# KiCad board demomatrix.kicad_pcb (continued)
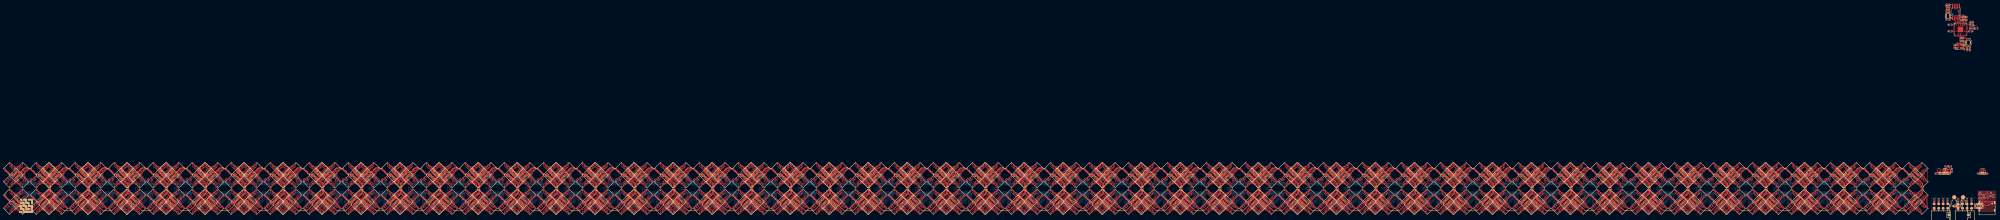
[diagram p0: board, top side]
## Routing (per net, layer and track width the routed paths; a pad name or vN(x,y) marks a point on that pad's centre or on a via; arc(x,y) is an arc through that point) (continued)
rgbs[3]-anodes-anode-526: length 3.9
  Top w0.2: LED640.6 -362.46,0.62 -361.26,0.62 -360.92,0.97 -360.46,0.97 -360.11,0.61 -359.12,0.61 LED639.5
rgbs[3]-anodes-anode-527: length 1.8
  Top w0.2: LED639.7 -359.9,1.53 -359.94,1.53 -360.11,1.37 -361.32,1.37 LED640.8
rgbs[3]-anodes-anode-528: length 9.5
  Top w0.2: LED51.3 -351.13,14.9 -351.13,14.93 -350.98,15.08 -350.98,15.89 -352.54,17.45 -352.79,17.45 -353.47,16.77 -353.91,16.77 -354.59,17.45 -354.84,17.45 -355.4,16.89 -355.4,16.88 -355.69,16.59 -355.7,16.59 -356.43,15.87 -356.43,15.08 LED52.4
rgbs[3]-anodes-anode-529: length 12.8
  Top w0.2: LED52.2 -357.16,14.12 -357.16,15.7 -355.86,16.99 -355.86,16.99 -355.8,17.05 -355.8,17.06 -355.01,17.85 -354.43,17.85 -353.74,17.17 -353.64,17.17 -352.95,17.85 -352.37,17.85 -350.22,15.7 -350.22,14.31 -350.15,14.23 -350.28,14.1 -350.28,14.06 LED51.1
rgbs[3]-anodes-anode-530: length 3.9
  Top w0.2: LED52.6 -355.46,15.62 -354.26,15.62 -353.92,15.97 -353.46,15.97 -353.11,15.61 -352.12,15.61 LED51.5
rgbs[3]-anodes-anode-531: length 1.8
  Top w0.2: LED51.7 -352.9,16.53 -352.94,16.53 -353.11,16.37 -354.32,16.37 LED52.8
rgbs[3]-anodes-anode-532: length 9.5
  Top w0.2: LED56.4 -341.43,15.08 -341.43,15.87 -340.7,16.59 -340.69,16.59 -340.4,16.88 -340.4,16.89 -339.84,17.45 -339.59,17.45 -338.91,16.77 -338.47,16.77 -337.79,17.45 -337.54,17.45 -335.98,15.89 -335.98,15.08 -336.13,14.93 -336.13,14.9 LED55.3
rgbs[3]-anodes-anode-533: length 12.8
  Top w0.2: LED55.1 -335.28,14.06 -335.28,14.1 -335.15,14.23 -335.22,14.31 -335.22,15.7 -337.37,17.85 -337.95,17.85 -338.64,17.17 -338.74,17.17 -339.43,17.85 -340.01,17.85 -340.8,17.06 -340.8,17.05 -340.86,16.99 -340.86,16.99 -342.16,15.7 -342.16,14.12 LED56.2
rgbs[3]-anodes-anode-534: length 3.9
  Top w0.2: LED55.5 -337.12,15.61 -338.11,15.61 -338.46,15.97 -338.92,15.97 -339.26,15.62 -340.46,15.62 LED56.6
rgbs[3]-anodes-anode-535: length 1.8
  Top w0.2: LED55.7 -337.9,16.53 -337.94,16.53 -338.11,16.37 -339.32,16.37 LED56.8
rgbs[3]-anodes-anode-536: length 9.5
  Top w0.2: LED59.3 -351.13,-0.1 -351.13,-0.07 -350.98,0.08 -350.98,0.89 -352.54,2.45 -352.79,2.45 -353.47,1.77 -353.91,1.77 -354.59,2.45 -354.84,2.45 -355.4,1.89 -355.4,1.88 -355.69,1.59 -355.7,1.59 -356.43,0.87 -356.43,0.08 LED60.4
rgbs[3]-anodes-anode-537: length 12.8
  Top w0.2: LED60.2 -357.16,-0.88 -357.16,0.7 -355.86,1.99 -355.86,1.99 -355.8,2.05 -355.8,2.06 -355.01,2.85 -354.43,2.85 -353.74,2.17 -353.64,2.17 -352.95,2.85 -352.37,2.85 -350.22,0.7 -350.22,-0.69 -350.15,-0.77 -350.28,-0.9 -350.28,-0.94 LED59.1
rgbs[3]-anodes-anode-538: length 3.9
  Top w0.2: LED60.6 -355.46,0.62 -354.26,0.62 -353.92,0.97 -353.46,0.97 -353.11,0.61 -352.12,0.61 LED59.5
rgbs[3]-anodes-anode-539: length 1.8
  Top w0.2: LED60.8 -354.32,1.37 -353.11,1.37 -352.94,1.53 -352.9,1.53 LED59.7
rgbs[3]-anodes-anode-540: length 9.5
  Top w0.2: LED64.4 -341.43,0.08 -341.43,0.87 -340.7,1.59 -340.69,1.59 -340.4,1.88 -340.4,1.89 -339.84,2.45 -339.59,2.45 -338.91,1.77 -338.47,1.77 -337.79,2.45 -337.54,2.45 -335.98,0.89 -335.98,0.08 -336.13,-0.07 -336.13,-0.1 LED63.3
rgbs[3]-anodes-anode-541: length 12.8
  Top w0.2: LED63.1 -335.28,-0.94 -335.28,-0.9 -335.15,-0.77 -335.22,-0.69 -335.22,0.7 -337.37,2.85 -337.95,2.85 -338.64,2.17 -338.74,2.17 -339.43,2.85 -340.01,2.85 -340.8,2.06 -340.8,2.05 -340.86,1.99 -340.86,1.99 -342.16,0.7 -342.16,-0.88 LED64.2
rgbs[3]-anodes-anode-542: length 3.9
  Top w0.2: LED64.6 -340.46,0.62 -339.26,0.62 -338.92,0.97 -338.46,0.97 -338.11,0.61 -337.12,0.61 LED63.5
rgbs[3]-anodes-anode-543: length 1.8
  Top w0.2: LED63.7 -337.9,1.53 -337.94,1.53 -338.11,1.37 -339.32,1.37 LED64.8
rgbs[3]-anodes-anode-544: length 9.5
  Top w0.2: LED644.4 -334.43,15.08 -334.43,15.87 -333.7,16.59 -333.69,16.59 -333.4,16.88 -333.4,16.89 -332.84,17.45 -332.59,17.45 -331.91,16.77 -331.47,16.77 -330.79,17.45 -330.54,17.45 -328.98,15.89 -328.98,15.08 -329.13,14.93 -329.13,14.9 LED643.3
rgbs[3]-anodes-anode-545: length 12.8
  Top w0.2: LED643.1 -328.28,14.06 -328.28,14.1 -328.15,14.23 -328.22,14.31 -328.22,15.7 -330.37,17.85 -330.95,17.85 -331.64,17.17 -331.74,17.17 -332.43,17.85 -333.01,17.85 -333.8,17.06 -333.8,17.05 -333.86,16.99 -333.86,16.99 -335.16,15.7 -335.16,14.12 LED644.2
rgbs[3]-anodes-anode-546: length 3.9
  Top w0.2: LED643.5 -330.12,15.61 -331.11,15.61 -331.46,15.97 -331.92,15.97 -332.26,15.62 -333.46,15.62 LED644.6
rgbs[3]-anodes-anode-547: length 1.8
  Top w0.2: LED643.7 -330.9,16.53 -330.94,16.53 -331.11,16.37 -332.32,16.37 LED644.8
rgbs[3]-anodes-anode-548: length 9.5
  Top w0.2: LED647.3 -314.13,14.9 -314.13,14.93 -313.98,15.08 -313.98,15.89 -315.54,17.45 -315.79,17.45 -316.47,16.77 -316.91,16.77 -317.59,17.45 -317.84,17.45 -318.4,16.89 -318.4,16.88 -318.69,16.59 -318.7,16.59 -319.43,15.87 -319.43,15.08 LED648.4
rgbs[3]-anodes-anode-549: length 12.8
  Top w0.2: LED647.1 -313.28,14.06 -313.28,14.1 -313.15,14.23 -313.22,14.31 -313.22,15.7 -315.37,17.85 -315.95,17.85 -316.64,17.17 -316.74,17.17 -317.43,17.85 -318.01,17.85 -318.8,17.06 -318.8,17.05 -318.86,16.99 -318.86,16.99 -320.16,15.7 -320.16,14.12 LED648.2
rgbs[3]-anodes-anode-550: length 3.9
  Top w0.2: LED647.5 -315.12,15.61 -316.11,15.61 -316.46,15.97 -316.92,15.97 -317.26,15.62 -318.46,15.62 LED648.6
rgbs[3]-anodes-anode-551: length 1.8
  Top w0.2: LED647.7 -315.9,16.53 -315.94,16.53 -316.11,16.37 -317.32,16.37 LED648.8
rgbs[3]-anodes-anode-552: length 9.5
  Top w0.2: LED651.3 -329.13,-0.1 -329.13,-0.07 -328.98,0.08 -328.98,0.89 -330.54,2.45 -330.79,2.45 -331.47,1.77 -331.91,1.77 -332.59,2.45 -332.84,2.45 -333.4,1.89 -333.4,1.88 -333.69,1.59 -333.7,1.59 -334.43,0.87 -334.43,0.08 LED652.4
rgbs[3]-anodes-anode-553: length 12.8
  Top w0.2: LED651.1 -328.28,-0.94 -328.28,-0.9 -328.15,-0.77 -328.22,-0.69 -328.22,0.7 -330.37,2.85 -330.95,2.85 -331.64,2.17 -331.74,2.17 -332.43,2.85 -333.01,2.85 -333.8,2.06 -333.8,2.05 -333.86,1.99 -333.86,1.99 -335.16,0.7 -335.16,-0.88 LED652.2
rgbs[3]-anodes-anode-554: length 3.9
  Top w0.2: LED652.6 -333.46,0.62 -332.26,0.62 -331.92,0.97 -331.46,0.97 -331.11,0.61 -330.12,0.61 LED651.5
rgbs[3]-anodes-anode-555: length 1.8
  Top w0.2: LED651.7 -330.9,1.53 -330.94,1.53 -331.11,1.37 -332.32,1.37 LED652.8
rgbs[3]-anodes-anode-556: length 9.5
  Top w0.2: LED656.4 -319.43,0.08 -319.43,0.87 -318.7,1.59 -318.69,1.59 -318.4,1.88 -318.4,1.89 -317.84,2.45 -317.59,2.45 -316.91,1.77 -316.47,1.77 -315.79,2.45 -315.54,2.45 -313.98,0.89 -313.98,0.08 -314.13,-0.07 -314.13,-0.1 LED655.3
rgbs[3]-anodes-anode-557: length 12.8
  Top w0.2: LED656.2 -320.16,-0.88 -320.16,0.7 -318.86,1.99 -318.86,1.99 -318.8,2.05 -318.8,2.06 -318.01,2.85 -317.43,2.85 -316.74,2.17 -316.64,2.17 -315.95,2.85 -315.37,2.85 -313.22,0.7 -313.22,-0.69 -313.15,-0.77 -313.28,-0.9 -313.28,-0.94 LED655.1
rgbs[3]-anodes-anode-558: length 3.9
  Top w0.2: LED655.5 -315.12,0.61 -316.11,0.61 -316.46,0.97 -316.92,0.97 -317.26,0.62 -318.46,0.62 LED656.6
rgbs[3]-anodes-anode-559: length 1.8
  Top w0.2: LED656.8 -317.32,1.37 -316.11,1.37 -315.94,1.53 -315.9,1.53 LED655.7
rgbs[3]-anodes-anode-560: length 9.5
  Top w0.2: LED659.3 -307.13,14.9 -307.13,14.93 -306.98,15.08 -306.98,15.89 -308.54,17.45 -308.79,17.45 -309.47,16.77 -309.91,16.77 -310.59,17.45 -310.84,17.45 -311.4,16.89 -311.4,16.88 -311.69,16.59 -311.7,16.59 -312.43,15.87 -312.43,15.08 LED660.4
rgbs[3]-anodes-anode-561: length 12.8
  Top w0.2: LED660.2 -313.16,14.12 -313.16,15.7 -311.86,16.99 -311.86,16.99 -311.8,17.05 -311.8,17.06 -311.01,17.85 -310.43,17.85 -309.74,17.17 -309.64,17.17 -308.95,17.85 -308.37,17.85 -306.22,15.7 -306.22,14.31 -306.15,14.23 -306.28,14.1 -306.28,14.06 LED659.1
rgbs[3]-anodes-anode-562: length 3.9
  Top w0.2: LED660.6 -311.46,15.62 -310.26,15.62 -309.92,15.97 -309.46,15.97 -309.11,15.61 -308.12,15.61 LED659.5
rgbs[3]-anodes-anode-563: length 1.8
  Top w0.2: LED660.8 -310.32,16.37 -309.11,16.37 -308.94,16.53 -308.9,16.53 LED659.7
rgbs[3]-anodes-anode-564: length 9.5
  Top w0.2: LED664.4 -297.43,15.08 -297.43,15.87 -296.7,16.59 -296.69,16.59 -296.4,16.88 -296.4,16.89 -295.84,17.45 -295.59,17.45 -294.91,16.77 -294.47,16.77 -293.79,17.45 -293.54,17.45 -291.98,15.89 -291.98,15.08 -292.13,14.93 -292.13,14.9 LED663.3
rgbs[3]-anodes-anode-565: length 12.8
  Top w0.2: LED664.2 -298.16,14.12 -298.16,15.7 -296.86,16.99 -296.86,16.99 -296.8,17.05 -296.8,17.06 -296.01,17.85 -295.43,17.85 -294.74,17.17 -294.64,17.17 -293.95,17.85 -293.37,17.85 -291.22,15.7 -291.22,14.31 -291.15,14.23 -291.28,14.1 -291.28,14.06 LED663.1
rgbs[3]-anodes-anode-566: length 3.9
  Top w0.2: LED664.6 -296.46,15.62 -295.26,15.62 -294.92,15.97 -294.46,15.97 -294.11,15.61 -293.12,15.61 LED663.5
rgbs[3]-anodes-anode-567: length 1.8
  Top w0.2: LED664.8 -295.32,16.37 -294.11,16.37 -293.94,16.53 -293.9,16.53 LED663.7
rgbs[3]-anodes-anode-568: length 9.5
  Top w0.2: LED668.4 -312.43,0.08 -312.43,0.87 -311.7,1.59 -311.69,1.59 -311.4,1.88 -311.4,1.89 -310.84,2.45 -310.59,2.45 -309.91,1.77 -309.47,1.77 -308.79,2.45 -308.54,2.45 -306.98,0.89 -306.98,0.08 -307.13,-0.07 -307.13,-0.1 LED667.3
rgbs[3]-anodes-anode-569: length 12.8
  Top w0.2: LED667.1 -306.28,-0.94 -306.28,-0.9 -306.15,-0.77 -306.22,-0.69 -306.22,0.7 -308.37,2.85 -308.95,2.85 -309.64,2.17 -309.74,2.17 -310.43,2.85 -311.01,2.85 -311.8,2.06 -311.8,2.05 -311.86,1.99 -311.86,1.99 -313.16,0.7 -313.16,-0.88 LED668.2
rgbs[3]-anodes-anode-570: length 3.9
  Top w0.2: LED667.5 -308.12,0.61 -309.11,0.61 -309.46,0.97 -309.92,0.97 -310.26,0.62 -311.46,0.62 LED668.6
rgbs[3]-anodes-anode-571: length 1.8
  Top w0.2: LED668.8 -310.32,1.37 -309.11,1.37 -308.94,1.53 -308.9,1.53 LED667.7
rgbs[3]-anodes-anode-572: length 9.5
  Top w0.2: LED671.3 -292.13,-0.1 -292.13,-0.07 -291.98,0.08 -291.98,0.89 -293.54,2.45 -293.79,2.45 -294.47,1.77 -294.91,1.77 -295.59,2.45 -295.84,2.45 -296.4,1.89 -296.4,1.88 -296.69,1.59 -296.7,1.59 -297.43,0.87 -297.43,0.08 LED672.4
rgbs[3]-anodes-anode-573: length 12.8
  Top w0.2: LED671.1 -291.28,-0.94 -291.28,-0.9 -291.15,-0.77 -291.22,-0.69 -291.22,0.7 -293.37,2.85 -293.95,2.85 -294.64,2.17 -294.74,2.17 -295.43,2.85 -296.01,2.85 -296.8,2.06 -296.8,2.05 -296.86,1.99 -296.86,1.99 -298.16,0.7 -298.16,-0.88 LED672.2
rgbs[3]-anodes-anode-574: length 3.9
  Top w0.2: LED671.5 -293.12,0.61 -294.11,0.61 -294.46,0.97 -294.92,0.97 -295.26,0.62 -296.46,0.62 LED672.6
rgbs[3]-anodes-anode-575: length 1.8
  Top w0.2: LED671.7 -293.9,1.53 -293.94,1.53 -294.11,1.37 -295.32,1.37 LED672.8
rgbs[3]-anodes-anode-576: length 9.5
  Top w0.2: LED676.4 -290.43,15.08 -290.43,15.87 -289.7,16.59 -289.69,16.59 -289.4,16.88 -289.4,16.89 -288.84,17.45 -288.59,17.45 -287.91,16.77 -287.47,16.77 -286.79,17.45 -286.54,17.45 -284.98,15.89 -284.98,15.08 -285.13,14.93 -285.13,14.9 LED675.3
rgbs[3]-anodes-anode-577: length 12.8
  Top w0.2: LED676.2 -291.16,14.12 -291.16,15.7 -289.86,16.99 -289.86,16.99 -289.8,17.05 -289.8,17.06 -289.01,17.85 -288.43,17.85 -287.74,17.17 -287.64,17.17 -286.95,17.85 -286.37,17.85 -284.22,15.7 -284.22,14.31 -284.15,14.23 -284.28,14.1 -284.28,14.06 LED675.1
rgbs[3]-anodes-anode-578: length 3.9
  Top w0.2: LED676.6 -289.46,15.62 -288.26,15.62 -287.92,15.97 -287.46,15.97 -287.11,15.61 -286.12,15.61 LED675.5
rgbs[3]-anodes-anode-579: length 1.8
  Top w0.2: LED675.7 -286.9,16.53 -286.94,16.53 -287.11,16.37 -288.32,16.37 LED676.8
rgbs[3]-anodes-anode-580: length 9.5
  Top w0.2: LED680.4 -275.43,15.08 -275.43,15.87 -274.7,16.59 -274.69,16.59 -274.4,16.88 -274.4,16.89 -273.84,17.45 -273.59,17.45 -272.91,16.77 -272.47,16.77 -271.79,17.45 -271.54,17.45 -269.98,15.89 -269.98,15.08 -270.13,14.93 -270.13,14.9 LED679.3
rgbs[3]-anodes-anode-581: length 12.8
  Top w0.2: LED679.1 -269.28,14.06 -269.28,14.1 -269.15,14.23 -269.22,14.31 -269.22,15.7 -271.37,17.85 -271.95,17.85 -272.64,17.17 -272.74,17.17 -273.43,17.85 -274.01,17.85 -274.8,17.06 -274.8,17.05 -274.86,16.99 -274.86,16.99 -276.16,15.7 -276.16,14.12 LED680.2
rgbs[3]-anodes-anode-582: length 3.9
  Top w0.2: LED680.6 -274.46,15.62 -273.26,15.62 -272.92,15.97 -272.46,15.97 -272.11,15.61 -271.12,15.61 LED679.5
rgbs[3]-anodes-anode-583: length 1.8
  Top w0.2: LED680.8 -273.32,16.37 -272.11,16.37 -271.94,16.53 -271.9,16.53 LED679.7
rgbs[3]-anodes-anode-584: length 9.5
  Top w0.2: LED683.3 -285.13,-0.1 -285.13,-0.07 -284.98,0.08 -284.98,0.89 -286.54,2.45 -286.79,2.45 -287.47,1.77 -287.91,1.77 -288.59,2.45 -288.84,2.45 -289.4,1.89 -289.4,1.88 -289.69,1.59 -289.7,1.59 -290.43,0.87 -290.43,0.08 LED684.4
rgbs[3]-anodes-anode-585: length 12.8
  Top w0.2: LED684.2 -291.16,-0.88 -291.16,0.7 -289.86,1.99 -289.86,1.99 -289.8,2.05 -289.8,2.06 -289.01,2.85 -288.43,2.85 -287.74,2.17 -287.64,2.17 -286.95,2.85 -286.37,2.85 -284.22,0.7 -284.22,-0.69 -284.15,-0.77 -284.28,-0.9 -284.28,-0.94 LED683.1
rgbs[3]-anodes-anode-586: length 3.9
  Top w0.2: LED684.6 -289.46,0.62 -288.26,0.62 -287.92,0.97 -287.46,0.97 -287.11,0.61 -286.12,0.61 LED683.5
rgbs[3]-anodes-anode-587: length 1.8
  Top w0.2: LED684.8 -288.32,1.37 -287.11,1.37 -286.94,1.53 -286.9,1.53 LED683.7
rgbs[3]-anodes-anode-588: length 9.5
  Top w0.2: LED688.4 -275.43,0.08 -275.43,0.87 -274.7,1.59 -274.69,1.59 -274.4,1.88 -274.4,1.89 -273.84,2.45 -273.59,2.45 -272.91,1.77 -272.47,1.77 -271.79,2.45 -271.54,2.45 -269.98,0.89 -269.98,0.08 -270.13,-0.07 -270.13,-0.1 LED687.3
rgbs[3]-anodes-anode-589: length 12.8
  Top w0.2: LED688.2 -276.16,-0.88 -276.16,0.7 -274.86,1.99 -274.86,1.99 -274.8,2.05 -274.8,2.06 -274.01,2.85 -273.43,2.85 -272.74,2.17 -272.64,2.17 -271.95,2.85 -271.37,2.85 -269.22,0.7 -269.22,-0.69 -269.15,-0.77 -269.28,-0.9 -269.28,-0.94 LED687.1
rgbs[3]-anodes-anode-590: length 3.9
  Top w0.2: LED687.5 -271.12,0.61 -272.11,0.61 -272.46,0.97 -272.92,0.97 -273.26,0.62 -274.46,0.62 LED688.6
rgbs[3]-anodes-anode-591: length 1.8
  Top w0.2: LED688.8 -273.32,1.37 -272.11,1.37 -271.94,1.53 -271.9,1.53 LED687.7
rgbs[3]-anodes-anode-592: length 9.5
  Top w0.2: LED692.4 -268.43,15.08 -268.43,15.87 -267.7,16.59 -267.69,16.59 -267.4,16.88 -267.4,16.89 -266.84,17.45 -266.59,17.45 -265.91,16.77 -265.47,16.77 -264.79,17.45 -264.54,17.45 -262.98,15.89 -262.98,15.08 -263.13,14.93 -263.13,14.9 LED691.3
rgbs[3]-anodes-anode-593: length 12.8
  Top w0.2: LED692.2 -269.16,14.12 -269.16,15.7 -267.86,16.99 -267.86,16.99 -267.8,17.05 -267.8,17.06 -267.01,17.85 -266.43,17.85 -265.74,17.17 -265.64,17.17 -264.95,17.85 -264.37,17.85 -262.22,15.7 -262.22,14.31 -262.15,14.23 -262.28,14.1 -262.28,14.06 LED691.1
rgbs[3]-anodes-anode-594: length 3.9
  Top w0.2: LED692.6 -267.46,15.62 -266.26,15.62 -265.92,15.97 -265.46,15.97 -265.11,15.61 -264.12,15.61 LED691.5
rgbs[3]-anodes-anode-595: length 1.8
  Top w0.2: LED691.7 -264.9,16.53 -264.94,16.53 -265.11,16.37 -266.32,16.37 LED692.8
rgbs[3]-anodes-anode-596: length 9.5
  Top w0.2: LED695.3 -248.13,14.9 -248.13,14.93 -247.98,15.08 -247.98,15.89 -249.54,17.45 -249.79,17.45 -250.47,16.77 -250.91,16.77 -251.59,17.45 -251.84,17.45 -252.4,16.89 -252.4,16.88 -252.69,16.59 -252.7,16.59 -253.43,15.87 -253.43,15.08 LED696.4
rgbs[3]-anodes-anode-597: length 12.8
  Top w0.2: LED695.1 -247.28,14.06 -247.28,14.1 -247.15,14.23 -247.22,14.31 -247.22,15.7 -249.37,17.85 -249.95,17.85 -250.64,17.17 -250.74,17.17 -251.43,17.85 -252.01,17.85 -252.8,17.06 -252.8,17.05 -252.86,16.99 -252.86,16.99 -254.16,15.7 -254.16,14.12 LED696.2
rgbs[3]-anodes-anode-598: length 3.9
  Top w0.2: LED696.6 -252.46,15.62 -251.26,15.62 -250.92,15.97 -250.46,15.97 -250.11,15.61 -249.12,15.61 LED695.5
rgbs[3]-anodes-anode-599: length 1.8
  Top w0.2: LED695.7 -249.9,16.53 -249.94,16.53 -250.11,16.37 -251.32,16.37 LED696.8
rgbs[3]-anodes-anode-600: length 9.5
  Top w0.2: LED700.4 -268.43,0.08 -268.43,0.87 -267.7,1.59 -267.69,1.59 -267.4,1.88 -267.4,1.89 -266.84,2.45 -266.59,2.45 -265.91,1.77 -265.47,1.77 -264.79,2.45 -264.54,2.45 -262.98,0.89 -262.98,0.08 -263.13,-0.07 -263.13,-0.1 LED699.3
rgbs[3]-anodes-anode-601: length 12.8
  Top w0.2: LED700.2 -269.16,-0.88 -269.16,0.7 -267.86,1.99 -267.86,1.99 -267.8,2.05 -267.8,2.06 -267.01,2.85 -266.43,2.85 -265.74,2.17 -265.64,2.17 -264.95,2.85 -264.37,2.85 -262.22,0.7 -262.22,-0.69 -262.15,-0.77 -262.28,-0.9 -262.28,-0.94 LED699.1
rgbs[3]-anodes-anode-602: length 3.9
  Top w0.2: LED699.5 -264.12,0.61 -265.11,0.61 -265.46,0.97 -265.92,0.97 -266.26,0.62 -267.46,0.62 LED700.6
rgbs[3]-anodes-anode-603: length 1.8
  Top w0.2: LED699.7 -264.9,1.53 -264.94,1.53 -265.11,1.37 -266.32,1.37 LED700.8
rgbs[3]-anodes-anode-604: length 9.5
  Top w0.2: LED703.3 -248.13,-0.1 -248.13,-0.07 -247.98,0.08 -247.98,0.89 -249.54,2.45 -249.79,2.45 -250.47,1.77 -250.91,1.77 -251.59,2.45 -251.84,2.45 -252.4,1.89 -252.4,1.88 -252.69,1.59 -252.7,1.59 -253.43,0.87 -253.43,0.08 LED704.4
rgbs[3]-anodes-anode-605: length 12.8
  Top w0.2: LED703.1 -247.28,-0.94 -247.28,-0.9 -247.15,-0.77 -247.22,-0.69 -247.22,0.7 -249.37,2.85 -249.95,2.85 -250.64,2.17 -250.74,2.17 -251.43,2.85 -252.01,2.85 -252.8,2.06 -252.8,2.05 -252.86,1.99 -252.86,1.99 -254.16,0.7 -254.16,-0.88 LED704.2
rgbs[3]-anodes-anode-606: length 3.9
  Top w0.2: LED704.6 -252.46,0.62 -251.26,0.62 -250.92,0.97 -250.46,0.97 -250.11,0.61 -249.12,0.61 LED703.5
rgbs[3]-anodes-anode-607: length 1.8
  Top w0.2: LED703.7 -249.9,1.53 -249.94,1.53 -250.11,1.37 -251.32,1.37 LED704.8
rgbs[3]-anodes-anode-608: length 9.5
  Top w0.2: LED707.3 -241.13,14.9 -241.13,14.93 -240.98,15.08 -240.98,15.89 -242.54,17.45 -242.79,17.45 -243.47,16.77 -243.91,16.77 -244.59,17.45 -244.84,17.45 -245.4,16.89 -245.4,16.88 -245.69,16.59 -245.7,16.59 -246.43,15.87 -246.43,15.08 LED708.4
rgbs[3]-anodes-anode-609: length 12.8
  Top w0.2: LED707.1 -240.28,14.06 -240.28,14.1 -240.15,14.23 -240.22,14.31 -240.22,15.7 -242.37,17.85 -242.95,17.85 -243.64,17.17 -243.74,17.17 -244.43,17.85 -245.01,17.85 -245.8,17.06 -245.8,17.05 -245.86,16.99 -245.86,16.99 -247.16,15.7 -247.16,14.12 LED708.2
rgbs[3]-anodes-anode-610: length 3.9
  Top w0.2: LED708.6 -245.46,15.62 -244.26,15.62 -243.92,15.97 -243.46,15.97 -243.11,15.61 -242.12,15.61 LED707.5
rgbs[3]-anodes-anode-611: length 1.8
  Top w0.2: LED707.7 -242.9,16.53 -242.94,16.53 -243.11,16.37 -244.32,16.37 LED708.8
rgbs[3]-anodes-anode-612: length 9.5
  Top w0.2: LED711.3 -226.13,14.9 -226.13,14.93 -225.98,15.08 -225.98,15.89 -227.54,17.45 -227.79,17.45 -228.47,16.77 -228.91,16.77 -229.59,17.45 -229.84,17.45 -230.4,16.89 -230.4,16.88 -230.69,16.59 -230.7,16.59 -231.43,15.87 -231.43,15.08 LED712.4
rgbs[3]-anodes-anode-613: length 12.8
  Top w0.2: LED712.2 -232.16,14.12 -232.16,15.7 -230.86,16.99 -230.86,16.99 -230.8,17.05 -230.8,17.06 -230.01,17.85 -229.43,17.85 -228.74,17.17 -228.64,17.17 -227.95,17.85 -227.37,17.85 -225.22,15.7 -225.22,14.31 -225.15,14.23 -225.28,14.1 -225.28,14.06 LED711.1
rgbs[3]-anodes-anode-614: length 3.9
  Top w0.2: LED711.5 -227.12,15.61 -228.11,15.61 -228.46,15.97 -228.92,15.97 -229.26,15.62 -230.46,15.62 LED712.6
rgbs[3]-anodes-anode-615: length 1.8
  Top w0.2: LED711.7 -227.9,16.53 -227.94,16.53 -228.11,16.37 -229.32,16.37 LED712.8
rgbs[3]-anodes-anode-616: length 9.5
  Top w0.2: LED715.3 -241.13,-0.1 -241.13,-0.07 -240.98,0.08 -240.98,0.89 -242.54,2.45 -242.79,2.45 -243.47,1.77 -243.91,1.77 -244.59,2.45 -244.84,2.45 -245.4,1.89 -245.4,1.88 -245.69,1.59 -245.7,1.59 -246.43,0.87 -246.43,0.08 LED716.4
rgbs[3]-anodes-anode-617: length 12.8
  Top w0.2: LED715.1 -240.28,-0.94 -240.28,-0.9 -240.15,-0.77 -240.22,-0.69 -240.22,0.7 -242.37,2.85 -242.95,2.85 -243.64,2.17 -243.74,2.17 -244.43,2.85 -245.01,2.85 -245.8,2.06 -245.8,2.05 -245.86,1.99 -245.86,1.99 -247.16,0.7 -247.16,-0.88 LED716.2
rgbs[3]-anodes-anode-618: length 3.9
  Top w0.2: LED715.5 -242.12,0.61 -243.11,0.61 -243.46,0.97 -243.92,0.97 -244.26,0.62 -245.46,0.62 LED716.6
rgbs[3]-anodes-anode-619: length 1.8
  Top w0.2: LED716.8 -244.32,1.37 -243.11,1.37 -242.94,1.53 -242.9,1.53 LED715.7
rgbs[3]-anodes-anode-620: length 9.5
  Top w0.2: LED720.4 -231.43,0.08 -231.43,0.87 -230.7,1.59 -230.69,1.59 -230.4,1.88 -230.4,1.89 -229.84,2.45 -229.59,2.45 -228.91,1.77 -228.47,1.77 -227.79,2.45 -227.54,2.45 -225.98,0.89 -225.98,0.08 -226.13,-0.07 -226.13,-0.1 LED719.3
rgbs[3]-anodes-anode-621: length 12.8
  Top w0.2: LED719.1 -225.28,-0.94 -225.28,-0.9 -225.15,-0.77 -225.22,-0.69 -225.22,0.7 -227.37,2.85 -227.95,2.85 -228.64,2.17 -228.74,2.17 -229.43,2.85 -230.01,2.85 -230.8,2.06 -230.8,2.05 -230.86,1.99 -230.86,1.99 -232.16,0.7 -232.16,-0.88 LED720.2
rgbs[3]-anodes-anode-622: length 3.9
  Top w0.2: LED719.5 -227.12,0.61 -228.11,0.61 -228.46,0.97 -228.92,0.97 -229.26,0.62 -230.46,0.62 LED720.6
rgbs[3]-anodes-anode-623: length 1.8
  Top w0.2: LED719.7 -227.9,1.53 -227.94,1.53 -228.11,1.37 -229.32,1.37 LED720.8
rgbs[3]-anodes-anode-624: length 9.5
  Top w0.2: LED723.3 -219.13,14.9 -219.13,14.93 -218.98,15.08 -218.98,15.89 -220.54,17.45 -220.79,17.45 -221.47,16.77 -221.91,16.77 -222.59,17.45 -222.84,17.45 -223.4,16.89 -223.4,16.88 -223.69,16.59 -223.7,16.59 -224.43,15.87 -224.43,15.08 LED724.4
rgbs[3]-anodes-anode-625: length 12.8
  Top w0.2: LED724.2 -225.16,14.12 -225.16,15.7 -223.86,16.99 -223.86,16.99 -223.8,17.05 -223.8,17.06 -223.01,17.85 -222.43,17.85 -221.74,17.17 -221.64,17.17 -220.95,17.85 -220.37,17.85 -218.22,15.7 -218.22,14.31 -218.15,14.23 -218.28,14.1 -218.28,14.06 LED723.1
rgbs[3]-anodes-anode-626: length 3.9
  Top w0.2: LED723.5 -220.12,15.61 -221.11,15.61 -221.46,15.97 -221.92,15.97 -222.26,15.62 -223.46,15.62 LED724.6
rgbs[3]-anodes-anode-627: length 1.8
  Top w0.2: LED724.8 -222.32,16.37 -221.11,16.37 -220.94,16.53 -220.9,16.53 LED723.7
rgbs[3]-anodes-anode-628: length 9.5
  Top w0.2: LED727.3 -204.13,14.9 -204.13,14.93 -203.98,15.08 -203.98,15.89 -205.54,17.45 -205.79,17.45 -206.47,16.77 -206.91,16.77 -207.59,17.45 -207.84,17.45 -208.4,16.89 -208.4,16.88 -208.69,16.59 -208.7,16.59 -209.43,15.87 -209.43,15.08 LED728.4
rgbs[3]-anodes-anode-629: length 12.8
  Top w0.2: LED728.2 -210.16,14.12 -210.16,15.7 -208.86,16.99 -208.86,16.99 -208.8,17.05 -208.8,17.06 -208.01,17.85 -207.43,17.85 -206.74,17.17 -206.64,17.17 -205.95,17.85 -205.37,17.85 -203.22,15.7 -203.22,14.31 -203.15,14.23 -203.28,14.1 -203.28,14.06 LED727.1
rgbs[3]-anodes-anode-630: length 3.9
  Top w0.2: LED727.5 -205.12,15.61 -206.11,15.61 -206.46,15.97 -206.92,15.97 -207.26,15.62 -208.46,15.62 LED728.6
rgbs[3]-anodes-anode-631: length 1.8
  Top w0.2: LED727.7 -205.9,16.53 -205.94,16.53 -206.11,16.37 -207.32,16.37 LED728.8
rgbs[3]-anodes-anode-632: length 9.5
  Top w0.2: LED731.3 -219.13,-0.1 -219.13,-0.07 -218.98,0.08 -218.98,0.89 -220.54,2.45 -220.79,2.45 -221.47,1.77 -221.91,1.77 -222.59,2.45 -222.84,2.45 -223.4,1.89 -223.4,1.88 -223.69,1.59 -223.7,1.59 -224.43,0.87 -224.43,0.08 LED732.4
rgbs[3]-anodes-anode-633: length 12.8
  Top w0.2: LED731.1 -218.28,-0.94 -218.28,-0.9 -218.15,-0.77 -218.22,-0.69 -218.22,0.7 -220.37,2.85 -220.95,2.85 -221.64,2.17 -221.74,2.17 -222.43,2.85 -223.01,2.85 -223.8,2.06 -223.8,2.05 -223.86,1.99 -223.86,1.99 -225.16,0.7 -225.16,-0.88 LED732.2
rgbs[3]-anodes-anode-634: length 3.9
  Top w0.2: LED732.6 -223.46,0.62 -222.26,0.62 -221.92,0.97 -221.46,0.97 -221.11,0.61 -220.12,0.61 LED731.5
rgbs[3]-anodes-anode-635: length 1.8
  Top w0.2: LED731.7 -220.9,1.53 -220.94,1.53 -221.11,1.37 -222.32,1.37 LED732.8
rgbs[3]-anodes-anode-636: length 9.5
  Top w0.2: LED736.4 -209.43,0.08 -209.43,0.87 -208.7,1.59 -208.69,1.59 -208.4,1.88 -208.4,1.89 -207.84,2.45 -207.59,2.45 -206.91,1.77 -206.47,1.77 -205.79,2.45 -205.54,2.45 -203.98,0.89 -203.98,0.08 -204.13,-0.07 -204.13,-0.1 LED735.3
rgbs[3]-anodes-anode-637: length 12.8
  Top w0.2: LED735.1 -203.28,-0.94 -203.28,-0.9 -203.15,-0.77 -203.22,-0.69 -203.22,0.7 -205.37,2.85 -205.95,2.85 -206.64,2.17 -206.74,2.17 -207.43,2.85 -208.01,2.85 -208.8,2.06 -208.8,2.05 -208.86,1.99 -208.86,1.99 -210.16,0.7 -210.16,-0.88 LED736.2
rgbs[3]-anodes-anode-638: length 3.9
  Top w0.2: LED735.5 -205.12,0.61 -206.11,0.61 -206.46,0.97 -206.92,0.97 -207.26,0.62 -208.46,0.62 LED736.6
rgbs[3]-anodes-anode-639: length 1.8
  Top w0.2: LED735.7 -205.9,1.53 -205.94,1.53 -206.11,1.37 -207.32,1.37 LED736.8
rgbs[3]-anodes-anode-640: length 9.5
  Top w0.2: LED739.3 -197.13,14.9 -197.13,14.93 -196.98,15.08 -196.98,15.89 -198.54,17.45 -198.79,17.45 -199.47,16.77 -199.91,16.77 -200.59,17.45 -200.84,17.45 -201.4,16.89 -201.4,16.88 -201.69,16.59 -201.7,16.59 -202.43,15.87 -202.43,15.08 LED740.4
rgbs[3]-anodes-anode-641: length 12.8
  Top w0.2: LED739.1 -196.28,14.06 -196.28,14.1 -196.15,14.23 -196.22,14.31 -196.22,15.7 -198.37,17.85 -198.95,17.85 -199.64,17.17 -199.74,17.17 -200.43,17.85 -201.01,17.85 -201.8,17.06 -201.8,17.05 -201.86,16.99 -201.86,16.99 -203.16,15.7 -203.16,14.12 LED740.2
rgbs[3]-anodes-anode-642: length 3.9
  Top w0.2: LED739.5 -198.12,15.61 -199.11,15.61 -199.46,15.97 -199.92,15.97 -200.26,15.62 -201.46,15.62 LED740.6
rgbs[3]-anodes-anode-643: length 1.8
  Top w0.2: LED740.8 -200.32,16.37 -199.11,16.37 -198.94,16.53 -198.9,16.53 LED739.7
rgbs[3]-anodes-anode-644: length 9.5
  Top w0.2: LED744.4 -187.43,15.08 -187.43,15.87 -186.7,16.59 -186.69,16.59 -186.4,16.88 -186.4,16.89 -185.84,17.45 -185.59,17.45 -184.91,16.77 -184.47,16.77 -183.79,17.45 -183.54,17.45 -181.98,15.89 -181.98,15.08 -182.13,14.93 -182.13,14.9 LED743.3
